# Altium PCB STM32_XC_BZB_2024-2.PcbDoc (part 2 of 2)
Units mil, origin at the board's own origin, x right, y up, seen from the top; angles counter-clockwise.
Board outline 3425 x 3900 mil, 2 copper layers (Top Layer, Bottom Layer); 34 components, 44 nets, 153 pads, 16 vias.
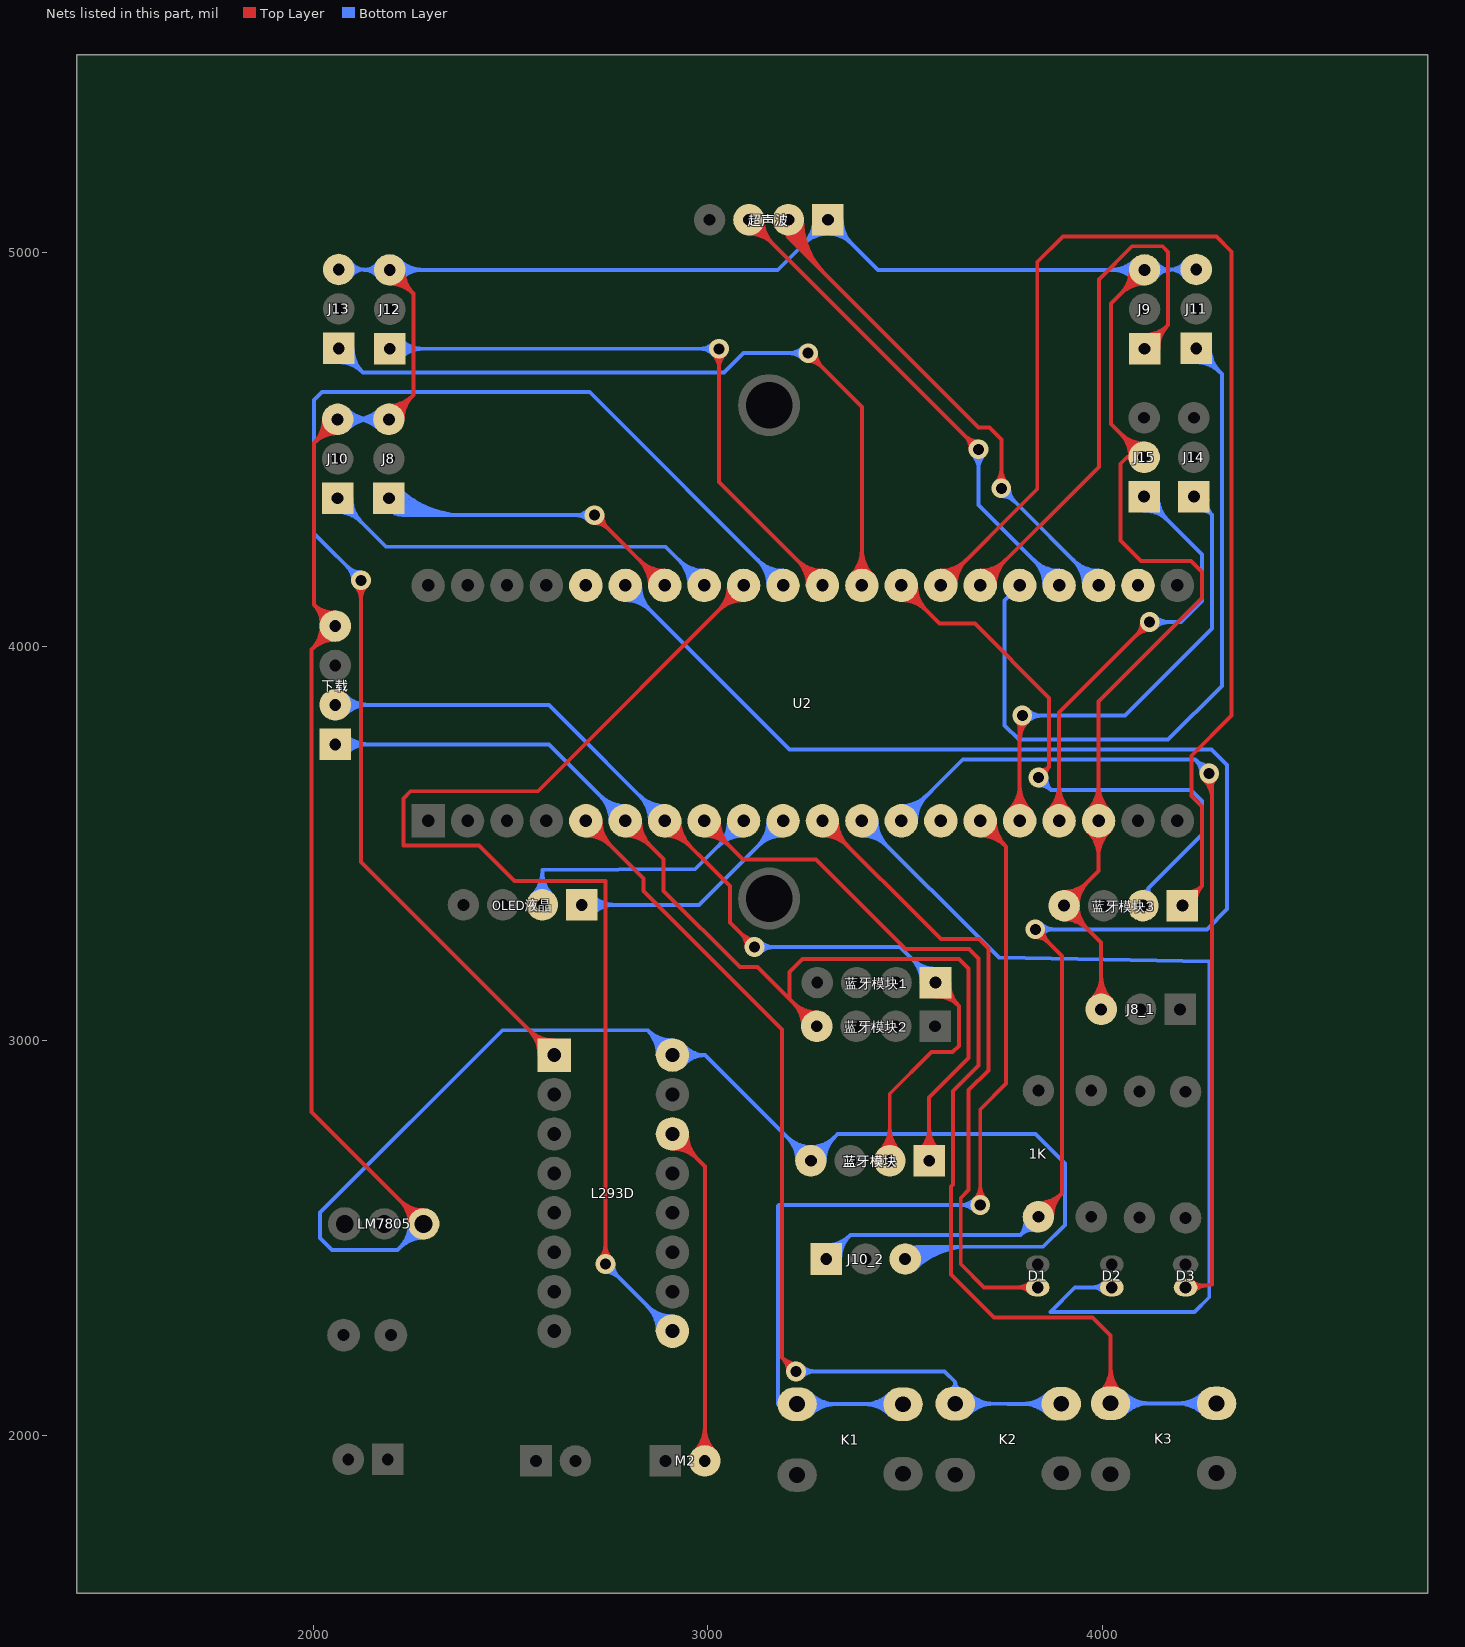
[diagram p2: the nets of this part, all layers, seen from the top]

## Via types
v1: diameter 50, hole 28, Top Layer to Bottom Layer, 16 vias

## Nets (pads, with @x,y where several pads share a name; then routed paths per layer and width w, separated by ;. In a path a pad name is that pad's centre, name@x,y a point inside that pad or via, vN(x,y) a via of type N, cw(c..) or ccw(c..) an arc to the next point about the centre after c; other vN are vias at no path point) (continued)
NetJ5_2: L293D.14 M2.2 | length 1337.1
  Top Layer w10: L293D.14@2909.99,2726.58 cw(c2909.99,2636.05) 2974.01,2700.06 cw(c3038.03,2764.08) L293D.14@2947.49,2764.08 ; L293D.14@2909.99,2736.58 cw(c2909.99,2670.19) 2956.94,2717.13 cw(c3003.88,2764.08) L293D.14@2937.49,2764.08 ; L293D.14@2909.99,2764.08 2992,2682.07 M2.2@2992,1935 ; M2.2@2967.25,1959.75 ccw(c2907.5,2019.5) 2992,2019.5 ccw(c3076.5,2019.5) M2.2@3016.75,1959.75 ; M2.2@2974.32,1952.68 ccw(c2931.64,1995.36) 2992,1995.36 ccw(c3052.36,1995.36) M2.2@3009.68,1952.68
PA0: J11.1 U2.25 | length 2103.7
  Bottom Layer w10: U2.25@3790.38,4154.89 3752,4116.51 3752,3800 3788.22,3763.78 4166.78,3763.78 4303,3900 4303,4691 J11.1@4238,4756 ; J11.1@4238,4721 cw(c4238,4636.5) 4297.75,4696.25 cw(c4357.5,4756) J11.1@4273,4756 ; J11.1@4238,4731 cw(c4238,4670.64) 4280.68,4713.32 cw(c4323.36,4756) J11.1@4263,4756
PA1: J9.1 U2.26 | length 1861.5
  Top Layer w10: U2.26@3690.38,4154.89 3991,4455.51 3991,4931 4075,5015 4152,5015 4167,5000 4167,4815 J9.1@4107,4755 ; U2.26@3690.38,4182.39 ccw(c3690.38,4248.78) 3737.32,4201.84 ccw(c3784.27,4154.89) U2.26@3717.88,4154.89 ; U2.26@3690.38,4192.39 ccw(c3690.38,4282.92) 3754.39,4218.91 ccw(c3818.41,4154.89) U2.26@3727.88,4154.89 ; J9.1@4107,4780 ccw(c4107,4840.36) 4149.68,4797.68 ccw(c4192.36,4755) J9.1@4132,4755 ; J9.1@4107,4790 ccw(c4107,4874.5) 4166.75,4814.75 ccw(c4226.5,4755) J9.1@4142,4755
PA2: U2.27 蓝牙模块3.1 | length 3605.3
  Top Layer w10: U2.27@3590.38,4154.89 3835,4399.51 3835,4975 3900,5040 4289,5040 4328,5001 4328,3825 4226,3723 4226,3621 4252.88,3594.12 4252.88,3392.88 ; U2.27@3590.38,4182.39 ccw(c3590.38,4248.78) 3637.32,4201.84 ccw(c3684.27,4154.89) U2.27@3617.88,4154.89 ; U2.27@3590.38,4192.39 ccw(c3590.38,4282.92) 3654.39,4218.91 ccw(c3718.41,4154.89) U2.27@3627.88,4154.89 ; 蓝牙模块3.1@4203,3343 4252.88,3392.88 ; 蓝牙模块3.1@4206.39,3367.77 ccw(c4211.57,3405.68) 4238.63,3378.63 ccw(c4265.68,3351.57) 蓝牙模块3.1@4227.77,3346.39 ; 蓝牙模块3.1@4207.74,3377.68 ccw(c4214.99,3430.76) 4252.88,3392.88 ; 蓝牙模块3.1@4237.68,3347.74 cw(c4290.76,3354.99) 4252.88,3392.88
PA3: U2.28 蓝牙模块3.2 | length 1870.6
  Top Layer w10: U2.28@3490.38,4117.39 cw(c3490.38,4026.86) 3554.39,4090.87 cw(c3618.41,4154.89) U2.28@3527.88,4154.89 ; U2.28@3490.38,4127.39 cw(c3490.38,4061) 3537.32,4107.94 cw(c3584.27,4154.89) U2.28@3517.88,4154.89 ; U2.28@3490.38,4154.89 3587.27,4058 3677,4058 3865,3870 3865,3695 ; v1(3838,3668) 3865,3695 ; v1@3841.57,3687.68 ccw(c3846.3,3713.7) 3865,3695 ; v1@3857.68,3671.57 cw(c3883.7,3676.3) 3865,3695
  Bottom Layer w10: v1(3838,3668) 3870,3636 ; v1@3838.94,3648.02 cw(c3840.87,3606.87) 3870,3636 ; v1@3857.98,3667.06 ccw(c3899.13,3665.13) 3870,3636 ; 蓝牙模块3.2@4103,3343 4117.5,3387.5 ; 蓝牙模块3.2@4103.99,3377.99 ccw(c4104.39,3391.77) 4117.5,3387.5 ; 蓝牙模块3.2@4122.81,3371.86 cw(c4130.61,3383.23) 4117.5,3387.5 ; 3870,3636 4225,3636 4253,3608 4253,3523 4117.5,3387.5
PA4: J13.1 U2.29 | length 2506.9
  Top Layer w10: v1@3254,4724 cw(c3254,4675.72) 3288.14,4709.86 cw(c3322.28,4744) v1@3274,4744 ; v1(3254,4744) 3390.38,4607.62 U2.29@3390.38,4154.89 ; U2.29@3363.86,4181.41 ccw(c3299.84,4245.42) 3390.38,4245.42 ccw(c3480.91,4245.42) U2.29@3416.89,4181.41 ; U2.29@3370.93,4174.34 ccw(c3323.99,4221.28) 3390.38,4221.28 ccw(c3456.77,4221.28) U2.29@3409.82,4174.34
  Bottom Layer w10: J13.1@2064,4721 cw(c2064,4636.5) 2123.75,4696.25 cw(c2183.5,4756) J13.1@2099,4756 ; J13.1@2064,4731 cw(c2064,4670.64) 2106.68,4713.32 cw(c2149.36,4756) J13.1@2089,4756 ; J13.1@2064,4756 2125,4695 3041,4695 3090,4744 v1(3254,4744) ; v1@3239.86,4729.86 ccw(c3205.72,4695.72) 3205.72,4744 ccw(c3205.72,4792.28) v1@3239.86,4758.14
PA5: J12.1 U2.30 | length 2169.5
  Top Layer w10: v1@3013.86,4740.86 cw(c2979.72,4706.72) 3028,4706.72 cw(c3076.28,4706.72) v1@3042.14,4740.86 ; v1(3028,4755) 3028,4417.27 U2.30@3290.38,4154.89 ; U2.30@3252.88,4154.89 ccw(c3162.34,4154.89) 3226.36,4218.91 ccw(c3290.38,4282.92) U2.30@3290.38,4192.39 ; U2.30@3262.88,4154.89 ccw(c3196.49,4154.89) 3243.43,4201.84 ccw(c3290.38,4248.78) U2.30@3290.38,4182.39
  Bottom Layer w10: J12.1@2193,4755 v1(3028,4755) ; J12.1@2210.68,4737.32 cw(c2253.36,4694.64) 2253.36,4755 cw(c2253.36,4815.36) J12.1@2210.68,4772.68 ; J12.1@2217.75,4730.25 cw(c2277.5,4670.5) 2277.5,4755 cw(c2277.5,4839.5) J12.1@2217.75,4779.75 ; v1@3013.86,4740.86 ccw(c2979.72,4706.72) 2979.72,4755 ccw(c2979.72,4803.28) v1@3013.86,4769.14
PA8: K2.2 U2.5 | length 3298.5
  Top Layer w10: U2.5@2690.38,3520.54 cw(c2690.38,3430.01) 2754.39,3494.02 cw(c2818.41,3558.04) U2.5@2727.88,3558.04 ; U2.5@2690.38,3530.54 cw(c2690.38,3464.15) 2737.32,3511.09 cw(c2784.27,3558.04) U2.5@2717.88,3558.04 ; U2.5@2690.38,3558.04 2837,3411.42 2837,3380 3188,3029 3188,2197 v1(3223,2162) ; v1@3203,2162 ccw(c3154.72,2162) 3188.86,2196.14 ccw(c3223,2230.28) v1@3223,2182
  Bottom Layer w10: v1(3223,2162) 3600,2162 3627,2135 ; v1@3237.14,2147.86 cw(c3271.28,2113.72) 3271.28,2162 cw(c3271.28,2210.28) v1@3237.14,2176.14 ; K2.2@3613.3,2114.91 ccw(c3605.42,2135) 3627,2135 ; K2.2@3640.7,2114.91 cw(c3648.58,2135) 3627,2135 ; K2.2@3653.95,2060.55 cw(c3700.89,2013.61) 3700.89,2080 cw(c3700.89,2146.39) K2.2@3653.95,2099.45 ; K2.2@3661.02,2053.48 cw(c3725.03,1989.47) 3725.03,2080 cw(c3725.03,2170.53) K2.2@3661.02,2106.52 ; K2.2@3861.72,2053.33 ccw(c3797.71,1989.31) 3797.71,2079.84 ccw(c3797.71,2170.38) K2.2@3861.72,2106.36 ; K2.2@3868.79,2060.4 ccw(c3821.85,2013.45) 3821.85,2079.84 ccw(c3821.85,2146.23) K2.2@3868.79,2099.29 ; K2.2@3895.74,2079.84 3761.16,2079.84 3761,2080 K2.2@3627,2080 3627,2135
PA11: K3.2 U2.8 | length 3566.2
  Top Layer w10: U2.8@2990.38,3520.54 cw(c2990.38,3430.01) 3054.39,3494.02 cw(c3118.41,3558.04) U2.8@3027.88,3558.04 ; U2.8@2990.38,3530.54 cw(c2990.38,3464.15) 3037.32,3511.09 cw(c3084.27,3558.04) U2.8@3017.88,3558.04 ; U2.8@2990.38,3558.04 3088.42,3460 3274,3460 3501,3233 3662,3233 3686,3209 3686,2937.5 3621,2872.5 3621,2636 3616,2631 3616,2408 3725,2299 3975,2299 4021,2253 K3.2@4021,2081 ; K3.2@3994.48,2107.52 ccw(c3930.47,2171.53) 4021,2171.53 ccw(c4111.53,2171.53) K3.2@4047.52,2107.52 ; K3.2@4001.55,2100.45 ccw(c3954.61,2147.39) 4021,2147.39 ccw(c4087.39,2147.39) K3.2@4040.45,2100.45
  Bottom Layer w10: K3.2@4021,2081 4155,2081 4155.16,2080.84 K3.2@4289.74,2080.84 ; K3.2@4047.95,2061.55 cw(c4094.89,2014.61) 4094.89,2081 cw(c4094.89,2147.39) K3.2@4047.95,2100.45 ; K3.2@4055.02,2054.48 cw(c4119.03,1990.47) 4119.03,2081 cw(c4119.03,2171.53) K3.2@4055.02,2107.52 ; K3.2@4255.72,2054.33 ccw(c4191.71,1990.31) 4191.71,2080.84 ccw(c4191.71,2171.38) K3.2@4255.72,2107.36 ; K3.2@4262.79,2061.4 ccw(c4215.85,2014.45) 4215.85,2080.84 ccw(c4215.85,2147.23) K3.2@4262.79,2100.29
PA12: OLED液晶.2 U2.9 | length 1123.2
  Bottom Layer w10: OLED液晶.2@2555.25,3369.75 ccw(c2495.5,3429.5) 2580,3429.5 ccw(c2664.5,3429.5) OLED液晶.2@2604.75,3369.75 ; OLED液晶.2@2562.32,3362.68 ccw(c2519.64,3405.36) 2580,3405.36 ccw(c2640.36,3405.36) OLED液晶.2@2597.68,3362.68 ; OLED液晶.2@2580,3345 2580,3433 2967.68,3435.35 U2.9@3090.38,3558.04 ; U2.9@3052.88,3558.04 cw(c2962.34,3558.04) 3026.36,3494.02 cw(c3090.38,3430.01) U2.9@3090.38,3520.54 ; U2.9@3062.88,3558.04 cw(c2996.49,3558.04) 3043.43,3511.09 cw(c3090.38,3464.15) U2.9@3090.38,3530.54
PA15: OLED液晶.1 U2.10 | length 1072.7
  Bottom Layer w10: OLED液晶.1@2680,3345 2977.34,3345 U2.10@3190.38,3558.04 ; OLED液晶.1@2697.68,3327.32 cw(c2740.36,3284.64) 2740.36,3345 cw(c2740.36,3405.36) OLED液晶.1@2697.68,3362.68 ; OLED液晶.1@2704.75,3320.25 cw(c2764.5,3260.5) 2764.5,3345 cw(c2764.5,3429.5) OLED液晶.1@2704.75,3369.75 ; U2.10@3152.88,3558.04 cw(c3062.34,3558.04) 3126.36,3494.02 cw(c3190.38,3430.01) U2.10@3190.38,3520.54 ; U2.10@3162.88,3558.04 cw(c3096.49,3558.04) 3143.43,3511.09 cw(c3190.38,3464.15) U2.10@3190.38,3530.54
PB0: J10.1 U2.33 | length 1495
  Bottom Layer w10: J10.1@2061,4341 cw(c2061,4256.5) 2120.75,4316.25 cw(c2180.5,4376) J10.1@2096,4376 ; J10.1@2061,4351 cw(c2061,4290.64) 2103.68,4333.32 cw(c2146.36,4376) J10.1@2086,4376 ; J10.1@2061,4376 2184,4253 2892.27,4253 U2.33@2990.38,4154.89 ; U2.33@2952.88,4154.89 ccw(c2862.34,4154.89) 2926.36,4218.91 ccw(c2990.38,4282.92) U2.33@2990.38,4192.39 ; U2.33@2962.88,4154.89 ccw(c2896.49,4154.89) 2943.43,4201.84 ccw(c2990.38,4248.78) U2.33@2990.38,4182.39
PB1: J8.1 U2.34 | length 2189.2
  Top Layer w10: v1@2712.27,4313 cw(c2712.27,4264.72) 2746.41,4298.86 cw(c2780.55,4333) v1@2732.27,4333 ; v1(2712.27,4333) U2.34@2890.38,4154.89 ; U2.34@2852.88,4154.89 ccw(c2762.34,4154.89) 2826.36,4218.91 ccw(c2890.38,4282.92) U2.34@2890.38,4192.39 ; U2.34@2862.88,4154.89 ccw(c2796.49,4154.89) 2843.43,4201.84 ccw(c2890.38,4248.78) U2.34@2890.38,4182.39
  Bottom Layer w10: J8.1@2173.32,4358.32 ccw(c2234.46,4419.46) 2234.46,4333 ; J8.1@2180.39,4365.39 ccw(c2258.6,4443.6) 2258.6,4333 ; J8.1@2187.46,4372.46 ccw(c2282.74,4467.74) 2282.74,4333 ; J8.1@2191,4376 2234,4333 ; J8.1@2194.54,4379.54 ccw(c2306.88,4491.88) 2306.88,4333 ; J8.1@2197.41,4351.83 cw(c2203.87,4327.44) 2221.71,4345.29 cw(c2239.56,4363.13) J8.1@2215.17,4369.59 ; J8.1@2199.97,4342.17 cw(c2209.02,4308.02) 2234,4333 ; J8.1@2201.61,4386.61 ccw(c2331.02,4516.02) 2331.02,4333 ; J8.1@2208.68,4393.68 ccw(c2355.17,4540.17) 2355.17,4333 ; J8.1@2215.75,4400.75 ccw(c2379.31,4564.31) 2379.31,4333 ; J8.1@2224.83,4367.03 ccw(c2258.98,4357.98) 2234,4333 ; v1@2698.13,4318.86 ccw(c2663.98,4284.72) 2663.98,4333 ccw(c2663.98,4381.28) v1@2698.13,4347.14 ; v1(2712.27,4333) 2234,4333
PB3: D1.2 U2.11 | length 1916.1
  Top Layer w10: U2.11@3290.38,3520.54 cw(c3290.38,3430.01) 3354.39,3494.02 cw(c3418.41,3558.04) U2.11@3327.88,3558.04 ; U2.11@3290.38,3530.54 cw(c3290.38,3464.15) 3337.32,3511.09 cw(c3384.27,3558.04) U2.11@3317.88,3558.04 ; U2.11@3290.38,3558.04 3590.42,3258 3687,3258 3711,3234 3711,2925 3661,2875 3661,2622 3641,2602 3641,2434 3700,2375 D1.2@3836,2375 ; D1.2@3816.13,2362.63 ccw(c3786.25,2332.75) 3786.25,2375 ccw(c3786.25,2417.25) D1.2@3816.13,2387.37
PB4: D2.2 U2.12 | length 2788.3
  Bottom Layer w10: U2.12@3390.38,3520.54 cw(c3390.38,3430.01) 3454.39,3494.02 cw(c3518.41,3558.04) U2.12@3427.88,3558.04 ; U2.12@3390.38,3530.54 cw(c3390.38,3464.15) 3437.32,3511.09 cw(c3484.27,3558.04) U2.12@3417.88,3558.04 ; U2.12@3390.38,3558.04 3737.42,3211 4271,3201 4271,2350 4234,2313 3868,2313 3930,2375 D2.2@4024,2375 ; D2.2@4004.13,2362.63 ccw(c3974.25,2332.75) 3974.25,2375 ccw(c3974.25,2417.25) D2.2@4004.13,2387.37
PB5: D3.2 U2.13 | length 2728.1
  Top Layer w10: D3.2@4211,2375 4277.88,2381.88 4277.88,3671.12 v1(4271,3678) ; D3.2@4229.54,2388.58 ccw(c4254.55,2419.32) 4258.61,2379.9 ; D3.2@4232.08,2363.96 cw(c4266.88,2335.64) 4262.29,2380.27 ; v1@4256.86,3663.86 cw(c4206.11,3613.11) 4277.88,3613.11 ; v1@4263.93,3670.93 cw(c4230.25,3637.25) 4277.88,3637.25 ; 4277.88,3646.32 cw(c4302.68,3646.32) v1@4285.14,3663.86
  Bottom Layer w10: U2.13@3490.38,3558.04 3646.12,3713.78 4235.22,3713.78 v1(4271,3678) ; U2.13@3490.38,3585.54 ccw(c3490.38,3651.93) 3537.32,3604.99 ccw(c3584.27,3558.04) U2.13@3517.88,3558.04 ; U2.13@3490.38,3595.54 ccw(c3490.38,3686.07) 3554.39,3622.06 ccw(c3618.41,3558.04) U2.13@3527.88,3558.04 ; v1@4251,3678 ccw(c4202.72,3678) 4236.86,3712.14 ccw(c4271,3746.28) v1@4271,3698
PB6: U2.14
PB7: K1.2 U2.15 | length 3252.7
  Top Layer w10: v1@3676.24,2598.14 ccw(c3642.09,2632.28) 3690.38,2632.28 ccw(c3738.66,2632.28) v1@3704.52,2598.14 ; v1(3690.38,2584) 3690.38,2826.02 3756.16,2891.81 3756.16,3492.25 U2.15@3690.38,3558.04 ; U2.15@3690.38,3520.54 cw(c3690.38,3430.01) 3754.39,3494.02 cw(c3818.41,3558.04) U2.15@3727.88,3558.04 ; U2.15@3690.38,3530.54 cw(c3690.38,3464.15) 3737.32,3511.09 cw(c3784.27,3558.04) U2.15@3717.88,3558.04
  Bottom Layer w10: K1.2@3252.95,2059.55 cw(c3299.89,2012.61) 3299.89,2079 cw(c3299.89,2145.39) K1.2@3252.95,2098.45 ; K1.2@3260.02,2052.48 cw(c3324.03,1988.47) 3324.03,2079 cw(c3324.03,2169.53) K1.2@3260.02,2105.52 ; K1.2@3460.72,2052.33 ccw(c3396.71,1988.31) 3396.71,2078.84 ccw(c3396.71,2169.38) K1.2@3460.72,2105.36 ; K1.2@3467.79,2059.4 ccw(c3420.85,2012.45) 3420.85,2078.84 ccw(c3420.85,2145.23) K1.2@3467.79,2098.29 ; K1.2@3494.74,2078.84 3360.16,2078.84 3360,2079 K1.2@3226,2079 3178,2079 3178,2582 3180,2584 v1(3690.38,2584) ; v1@3676.24,2569.86 ccw(c3642.09,2535.72) 3642.09,2584 ccw(c3642.09,2632.28) v1@3676.24,2598.14
PB8: J14.1 U2.16 | length 1775.6
  Top Layer w10: U2.16@3763.86,3584.56 ccw(c3699.84,3648.57) 3790.38,3648.57 ccw(c3880.91,3648.57) U2.16@3816.89,3584.56 ; U2.16@3770.93,3577.49 ccw(c3723.99,3624.43) 3790.38,3624.43 ccw(c3856.77,3624.43) U2.16@3809.82,3577.49 ; v1@3782.86,3810.86 cw(c3764.7,3792.7) 3790.38,3792.7 ; U2.16@3790.38,3558.04 3790.38,3818.38 v1(3797,3825) ; 3790.38,3760.73 cw(c3861.27,3760.73) v1@3811.14,3810.86 ; 3790.38,3784.87 cw(c3837.13,3784.87) v1@3804.07,3817.93
  Bottom Layer w10: v1(3797,3825) 4057,3825 4278,4046 4278,4334 ; v1@3811.14,3810.86 cw(c3845.28,3776.72) 3845.28,3825 cw(c3845.28,3873.28) v1@3811.14,3839.14 ; J14.1@4232,4380 4278,4334 ; J14.1@4237.01,4355.51 cw(c4243.16,4325.45) 4264.86,4347.14 cw(c4286.55,4368.84) J14.1@4256.49,4374.99 ; J14.1@4239.02,4345.71 cw(c4247.63,4303.63) 4278,4334 ; J14.1@4266.29,4372.98 ccw(c4308.37,4364.37) 4278,4334
PB9: J15.1 U2.17 | length 1705.6
  Top Layer w10: U2.17@3863.86,3584.56 ccw(c3799.84,3648.57) 3890.38,3648.57 ccw(c3980.91,3648.57) U2.17@3916.89,3584.56 ; U2.17@3870.93,3577.49 ccw(c3823.99,3624.43) 3890.38,3624.43 ccw(c3956.77,3624.43) U2.17@3909.82,3577.49 ; U2.17@3890.38,3558.04 3890.38,3832.38 v1(4120,4062) ; v1@4100,4062 cw(c4051.72,4062) 4085.86,4027.86 cw(c4120,3993.72) v1@4120,4042
  Bottom Layer w10: J15.1@4106,4345 cw(c4106,4260.5) 4165.75,4320.25 cw(c4225.5,4380) J15.1@4141,4380 ; J15.1@4106,4355 cw(c4106,4294.64) 4148.68,4337.32 cw(c4191.36,4380) J15.1@4131,4380 ; J15.1@4106,4380 4253,4233 4253,4115 4200,4062 v1(4120,4062) ; v1@4134.14,4047.86 cw(c4168.28,4013.72) 4168.28,4062 cw(c4168.28,4110.28) v1@4134.14,4076.14
PB10: 1K.1@3838,2554 J10_2.1 U2.35 | length 4950.1
  Top Layer w10: v1@3830,3263 cw(c3830,3214.72) 3864.14,3248.86 cw(c3898.28,3283) v1@3850,3283 ; v1(3830,3283) 3898,3215 3898,2614 1K.1@3838,2554 ; 1K.1@3838,2579 ccw(c3838,2639.36) 3880.68,2596.68 ccw(c3923.36,2554) 1K.1@3863,2554 ; 1K.1@3838,2589 ccw(c3838,2673.5) 3897.75,2613.75 ccw(c3957.5,2554) 1K.1@3873,2554
  Bottom Layer w10: U2.35@2790.38,4117.39 cw(c2790.38,4026.86) 2854.39,4090.87 cw(c2918.41,4154.89) U2.35@2827.88,4154.89 ; U2.35@2790.38,4127.39 cw(c2790.38,4061) 2837.32,4107.94 cw(c2884.27,4154.89) U2.35@2817.88,4154.89 ; U2.35@2790.38,4154.89 3206.49,3738.78 4277.22,3738.78 4316,3700 4316,3334 4265,3283 v1(3830,3283) ; J10_2.1@3300,2447 3361,2508 3792,2508 ; J10_2.1@3300,2472 ccw(c3300,2532.36) 3342.68,2489.68 ccw(c3385.36,2447) J10_2.1@3325,2447 ; J10_2.1@3300,2482 ccw(c3300,2566.5) 3359.75,2506.75 ccw(c3419.5,2447) J10_2.1@3335,2447 ; 1K.1@3803.71,2546.98 cw(c3761.63,2538.37) 3792,2508 ; 1K.1@3813.51,2548.99 cw(c3783.45,2542.84) 3805.14,2521.14 cw(c3826.84,2499.45) 1K.1@3832.99,2529.51 ; 1K.1@3830.98,2519.71 ccw(c3822.37,2477.63) 3792,2508 ; 1K.1@3838,2554 3792,2508 ; v1@3844.14,3268.86 cw(c3878.28,3234.72) 3878.28,3283 cw(c3878.28,3331.28) v1@3844.14,3297.14
PB11: U2.36
PC13: U2.22
PC14: U2.23 超声波.2 | length 2315.9
  Top Layer w10: 超声波.2@3189,5082 ccw(c3260.22,5082) 3209.86,5031.64 ; 超声波.2@3195.75,5047.99 cw(c3193.21,5037.5) 3204,5037.5 ; 超声波.2@3199,5082 ccw(c3294.36,5082) 3226.93,5014.57 ; 超声波.2@3204,5082 3204,5037.5 ; 超声波.2@3209,5082 ccw(c3328.5,5082) 3244,4997.5 ; 超声波.2@3212.25,5047.99 ccw(c3214.79,5037.5) 3204,5037.5 ; 超声波.2@3219,5082 ccw(c3362.65,5082) 3261.07,4980.43 ; 超声波.2@3229,5082 ccw(c3396.79,5082) 3278.14,4963.36 ; 超声波.2@3239,5082 ccw(c3430.93,5082) 3295.21,4946.28 ; v1@3729.86,4415.41 ccw(c3695.72,4449.55) 3744,4449.55 ccw(c3792.28,4449.55) v1@3758.14,4415.41 ; v1(3744,4401.27) 3744,4525 3714,4555 3686.5,4555 3204,5037.5
  Bottom Layer w10: v1@3744,4381.27 cw(c3744,4332.98) 3778.14,4367.13 cw(c3812.28,4401.27) v1@3764,4401.27 ; v1(3744,4401.27) U2.23@3990.38,4154.89 ; U2.23@3952.88,4154.89 ccw(c3862.34,4154.89) 3926.36,4218.91 ccw(c3990.38,4282.92) U2.23@3990.38,4192.39 ; U2.23@3962.88,4154.89 ccw(c3896.49,4154.89) 3943.43,4201.84 ccw(c3990.38,4248.78) U2.23@3990.38,4182.39
PC15: U2.24 超声波.3 | length 1878.6
  Top Layer w10: 超声波.3@3104,5047 cw(c3104,4962.5) 3163.75,5022.25 cw(c3223.5,5082) 超声波.3@3139,5082 ; 超声波.3@3104,5057 cw(c3104,4996.64) 3146.68,5039.32 cw(c3189.36,5082) 超声波.3@3129,5082 ; 超声波.3@3104,5082 v1(3686,4500) ; v1@3666,4500 ccw(c3617.72,4500) 3651.86,4534.14 ccw(c3686,4568.28) v1@3686,4520
  Bottom Layer w10: v1@3671.86,4485.86 cw(c3637.72,4451.72) 3686,4451.72 cw(c3734.28,4451.72) v1@3700.14,4485.86 ; v1(3686,4500) 3686,4359.27 U2.24@3890.38,4154.89 ; U2.24@3852.88,4154.89 ccw(c3762.34,4154.89) 3826.36,4218.91 ccw(c3890.38,4282.92) U2.24@3890.38,4192.39 ; U2.24@3862.88,4154.89 ccw(c3796.49,4154.89) 3843.43,4201.84 ccw(c3890.38,4248.78) U2.24@3890.38,4182.39
RXD: U2.7 下载.2 蓝牙模块1.1 蓝牙模块.2 | length 3998.5
  Top Layer w10: U2.7@2890.38,3520.54 cw(c2890.38,3430.01) 2954.39,3494.02 cw(c3018.41,3558.04) U2.7@2927.88,3558.04 ; U2.7@2890.38,3530.54 cw(c2890.38,3464.15) 2937.32,3511.09 cw(c2984.27,3558.04) U2.7@2917.88,3558.04 ; U2.7@2890.38,3558.04 3056,3392.42 3056,3300 v1(3118,3238) ; v1@3098,3238 ccw(c3049.72,3238) 3083.86,3272.14 ccw(c3118,3306.28) v1@3118,3258 ; 蓝牙模块.2@3436.25,2720.75 ccw(c3376.5,2780.5) 3461,2780.5 ccw(c3545.5,2780.5) 蓝牙模块.2@3485.75,2720.75 ; 蓝牙模块.2@3443.32,2713.68 ccw(c3400.64,2756.36) 3461,2756.36 ccw(c3521.36,2756.36) 蓝牙模块.2@3478.68,2713.68 ; 蓝牙模块.2@3461,2696 3461,2866 3567.06,2972.06 3620.56,2972.06 3636,2987.5 3636,3089 ; 蓝牙模块1.1@3577,3148 3636,3089 ; 蓝牙模块1.1@3577.22,3123 cw(c3577.75,3064.47) 3619.14,3105.86 cw(c3660.53,3147.25) 蓝牙模块1.1@3602,3147.78 ; 蓝牙模块1.1@3577.31,3113 cw(c3578.05,3031.06) 3636,3089 ; 蓝牙模块1.1@3612,3147.69 ccw(c3693.94,3146.95) 3636,3089
  Bottom Layer w10: 下载.2@2055,3852 2596.42,3852 U2.7@2890.38,3558.04 ; 下载.2@2072.68,3834.32 cw(c2115.36,3791.64) 2115.36,3852 cw(c2115.36,3912.36) 下载.2@2072.68,3869.68 ; 下载.2@2079.75,3827.25 cw(c2139.5,3767.5) 2139.5,3852 cw(c2139.5,3936.5) 下载.2@2079.75,3876.75 ; U2.7@2852.88,3558.04 ccw(c2762.34,3558.04) 2826.36,3622.06 ccw(c2890.38,3686.07) U2.7@2890.38,3595.54 ; U2.7@2862.88,3558.04 ccw(c2796.49,3558.04) 2843.43,3604.99 ccw(c2890.38,3651.93) U2.7@2890.38,3585.54 ; v1(3118,3238) 3487,3238 蓝牙模块1.1@3577,3148 ; v1@3132.14,3223.86 cw(c3166.28,3189.72) 3166.28,3238 cw(c3166.28,3286.28) v1@3132.14,3252.14 ; 蓝牙模块1.1@3542,3148 ccw(c3457.5,3148) 3517.25,3207.75 ccw(c3577,3267.5) 蓝牙模块1.1@3577,3183 ; 蓝牙模块1.1@3552,3148 ccw(c3491.64,3148) 3534.32,3190.68 ccw(c3577,3233.36) 蓝牙模块1.1@3577,3173
TIM3_CH1: L293D.1 U2.31 | length 3958.5
  Top Layer w10: v1@2105.86,4153.86 cw(c2071.72,4119.72) 2120,4119.72 cw(c2168.28,4119.72) v1@2134.14,4153.86 ; v1(2120,4168) 2120,3454.07 L293D.1@2609.99,2964.08 ; L293D.1@2572.49,2964.08 ccw(c2481.96,2964.08) 2545.98,3028.1 ccw(c2609.99,3092.11) L293D.1@2609.99,3001.58 ; L293D.1@2582.49,2964.08 ccw(c2516.1,2964.08) 2563.05,3011.03 ccw(c2609.99,3057.97) L293D.1@2609.99,2991.58
  Bottom Layer w10: v1@2100,4168 ccw(c2051.72,4168) 2085.86,4202.14 ccw(c2120,4236.28) v1@2120,4188 ; v1(2120,4168) 2001,4287 2001,4625 2021,4645 2700.27,4645 U2.31@3190.38,4154.89 ; U2.31@3152.88,4154.89 ccw(c3062.34,4154.89) 3126.36,4218.91 ccw(c3190.38,4282.92) U2.31@3190.38,4192.39 ; U2.31@3162.88,4154.89 ccw(c3096.49,4154.89) 3143.43,4201.84 ccw(c3190.38,4248.78) U2.31@3190.38,4182.39
TIM3_CH2: L293D.9 U2.32 | length 3611.5
  Top Layer w10: v1@2725.86,2448.21 ccw(c2691.72,2482.36) 2740,2482.36 ccw(c2788.28,2482.36) v1@2754.14,2448.21 ; v1(2740,2434.07) 2740,3405 2509,3405 2419,3495 2227.88,3495 2227.88,3614.88 2246,3633 2568.49,3633 U2.32@3090.38,4154.89 ; U2.32@3052.88,4154.89 cw(c2962.34,4154.89) 3026.36,4090.87 cw(c3090.38,4026.86) U2.32@3090.38,4117.39 ; U2.32@3062.88,4154.89 cw(c2996.49,4154.89) 3043.43,4107.94 cw(c3090.38,4061) U2.32@3090.38,4127.39
  Bottom Layer w10: v1@2740,2414.07 cw(c2740,2365.79) 2774.14,2399.93 cw(c2808.28,2434.07) v1@2760,2434.07 ; v1(2740,2434.07) L293D.9@2909.99,2264.08 ; L293D.9@2872.49,2264.08 ccw(c2781.96,2264.08) 2845.98,2328.1 ccw(c2909.99,2392.11) L293D.9@2909.99,2301.58 ; L293D.9@2882.49,2264.08 ccw(c2816.1,2264.08) 2863.05,2311.03 ccw(c2909.99,2357.97) L293D.9@2909.99,2291.58
TXD: U2.6 下载.1 蓝牙模块2.4 蓝牙模块.1 | length 3815.9
  Top Layer w10: U2.6@2790.38,3520.54 cw(c2790.38,3430.01) 2854.39,3494.02 cw(c2918.41,3558.04) U2.6@2827.88,3558.04 ; U2.6@2790.38,3530.54 cw(c2790.38,3464.15) 2837.32,3511.09 cw(c2884.27,3558.04) U2.6@2817.88,3558.04 ; U2.6@2790.38,3558.04 2887.5,3460.92 2887.5,3380.5 3081,3187 3126,3187 3207,3106 ; 蓝牙模块2.4@3241,3037 ccw(c3156.5,3037) 3216.25,3096.75 ccw(c3276,3156.5) 蓝牙模块2.4@3276,3072 ; 蓝牙模块2.4@3251,3037 ccw(c3190.64,3037) 3233.32,3079.68 ccw(c3276,3122.36) 蓝牙模块2.4@3276,3062 ; 蓝牙模块2.4@3276,3037 3207,3106 ; 蓝牙模块.1@3536.25,2720.75 ccw(c3476.5,2780.5) 3561,2780.5 ccw(c3645.5,2780.5) 蓝牙模块.1@3585.75,2720.75 ; 蓝牙模块.1@3543.32,2713.68 ccw(c3500.64,2756.36) 3561,2756.36 ccw(c3621.36,2756.36) 蓝牙模块.1@3578.68,2713.68 ; 蓝牙模块.1@3561,2696 3561,2857 3661,2957 3661,3184 3637,3208 3240,3208 3207,3175 3207,3106
  Bottom Layer w10: 下载.1@2055,3752 2596.42,3752 U2.6@2790.38,3558.04 ; 下载.1@2072.68,3734.32 cw(c2115.36,3691.64) 2115.36,3752 cw(c2115.36,3812.36) 下载.1@2072.68,3769.68 ; 下载.1@2079.75,3727.25 cw(c2139.5,3667.5) 2139.5,3752 cw(c2139.5,3836.5) 下载.1@2079.75,3776.75 ; U2.6@2752.88,3558.04 ccw(c2662.34,3558.04) 2726.36,3622.06 ccw(c2790.38,3686.07) U2.6@2790.38,3595.54 ; U2.6@2762.88,3558.04 ccw(c2696.49,3558.04) 2743.43,3604.99 ccw(c2790.38,3651.93) U2.6@2790.38,3585.54
VCC: J8.3 J8_1.3 J9.3 J10.3 J10_2.3 J11.3 J12.3 J13.3 J15.2 L293D.16 LM7805.3 U2.18 下载.4 蓝牙模块3.4 蓝牙模块.4 超声波.1 | length 17323.7
  Top Layer w10: 下载.4@2020,4052 cw(c1935.5,4052) 1995.25,3992.25 cw(c2055,3932.5) 下载.4@2055,4017 ; 下载.4@2020.1,4054.59 ccw(c1954.47,4059.47) 2001,4106 ; J10.3@2026,4576 cw(c1941.5,4576) 2001.25,4516.25 cw(c2061,4456.5) J10.3@2061,4541 ; 下载.4@2030,4052 cw(c1969.64,4052) 2012.32,4009.32 cw(c2055,3966.64) 下载.4@2055,4027 ; 下载.4@2030.07,4053.85 ccw(c1983.19,4057.33) 2016.43,4090.57 ccw(c2049.67,4123.81) 下载.4@2053.15,4076.93 ; J10.3@2036,4576 cw(c1975.64,4576) 2018.32,4533.32 cw(c2061,4490.64) J10.3@2061,4551 ; 下载.4@2052.41,4086.9 cw(c2047.53,4152.53) 2001,4106 ; J10.3@2061,4576 2001,4516 2001,4106 ; J8.3@2191,4576 2253,4638 2253,4895 J12.3@2193,4955 ; J8.3@2191,4601 ccw(c2191,4661.36) 2233.68,4618.68 ccw(c2276.36,4576) J8.3@2216,4576 ; J8.3@2191,4611 ccw(c2191,4695.5) 2250.75,4635.75 ccw(c2310.5,4576) J8.3@2226,4576 ; J12.3@2193,4920 cw(c2193,4835.5) 2252.75,4895.25 cw(c2312.5,4955) J12.3@2228,4955 ; J12.3@2193,4930 cw(c2193,4869.64) 2235.68,4912.32 cw(c2278.36,4955) J12.3@2218,4955 ; LM7805.3@2244,2536 ccw(c2159.5,2536) 2219.25,2595.75 ccw(c2279,2655.5) LM7805.3@2279,2571 ; LM7805.3@2254,2536 ccw(c2193.64,2536) 2236.32,2578.68 ccw(c2279,2621.36) LM7805.3@2279,2561 ; LM7805.3@2279,2536 1995,2820 1995,3992 下载.4@2055,4052 2001,4106 ; 蓝牙模块3.4@3903,3308 cw(c3903,3223.5) 3962.75,3283.25 cw(c4022.5,3343) 3938,3343 cw(c4022.5,3343) 3962.75,3402.75 cw(c3903,3462.5) 蓝牙模块3.4@3903,3378 ; 蓝牙模块3.4@3903,3318 cw(c3903,3257.64) 3945.68,3300.32 cw(c3988.36,3343) 3928,3343 cw(c3988.36,3343) 3945.68,3385.68 cw(c3903,3428.36) 蓝牙模块3.4@3903,3368 ; U2.18@3963.86,3531.52 cw(c3899.84,3467.51) 3990.38,3467.51 cw(c4080.91,3467.51) U2.18@4016.89,3531.52 ; U2.18@3963.86,3584.56 ccw(c3899.84,3648.57) 3990.38,3648.57 ccw(c4080.91,3648.57) U2.18@4016.89,3584.56 ; U2.18@3970.93,3538.59 cw(c3923.99,3491.65) 3990.38,3491.65 cw(c4056.77,3491.65) U2.18@4009.82,3538.59 ; U2.18@3970.93,3577.49 ccw(c3923.99,3624.43) 3990.38,3624.43 ccw(c4056.77,3624.43) U2.18@4009.82,3577.49 ; J8_1.3@3972.25,3104.75 ccw(c3912.5,3164.5) 3997,3164.5 ccw(c4081.5,3164.5) J8_1.3@4021.75,3104.75 ; J8_1.3@3979.32,3097.68 ccw(c3936.64,3140.36) 3997,3140.36 ccw(c4057.36,3140.36) J8_1.3@4014.68,3097.68 ; J8_1.3@3997,3080 3997,3249 蓝牙模块3.4@3903,3343 3990.38,3430.38 U2.18@3990.38,3558.04 3990.38,3860.38 4252.88,4122.88 4252.88,4189.51 4225,4217.39 4098,4217.39 4046,4269.39 4046,4463.5 4062.5,4480 ; J15.2@4071,4480 ccw(c3986.5,4480) 4046.25,4539.75 ccw(c4106,4599.5) J15.2@4106,4515 ; J15.2@4071.81,4472.51 ccw(c4062.5,4470.47) 4062.5,4480 ; J15.2@4071.81,4487.49 cw(c4062.5,4489.53) 4062.5,4480 ; J9.3@4072,4955 cw(c3987.5,4955) 4047.25,4895.25 cw(c4107,4835.5) J9.3@4107,4920 ; J15.2@4081,4480 ccw(c4020.64,4480) 4063.32,4522.68 ccw(c4106,4565.36) J15.2@4106,4505 ; J9.3@4082,4955 cw(c4021.64,4955) 4064.32,4912.32 cw(c4107,4869.64) J9.3@4107,4930 ; J9.3@4107,4955 4022,4870 4022,4564 J15.2@4106,4480 4062.5,4480
  Bottom Layer w10: J10.3@2061,4576 J8.3@2191,4576 ; J13.3@2064,4956 2128,4956 ; J10.3@2078.68,4558.32 cw(c2121.36,4515.64) 2121.36,4576 cw(c2121.36,4636.36) J10.3@2078.68,4593.68 ; J13.3@2085.05,4942.51 cw(c2109.71,4926.71) 2109.71,4956 cw(c2109.71,4985.29) J13.3@2085.05,4969.49 ; J10.3@2085.75,4551.25 cw(c2145.5,4491.5) 2145.5,4576 cw(c2145.5,4660.5) J10.3@2085.75,4600.75 ; J13.3@2093.47,4937.12 cw(c2128,4914.99) 2128,4956 ; J13.3@2093.47,4974.88 ccw(c2128,4997.01) 2128,4956 ; J12.3@2163.53,4936.12 ccw(c2129,4913.99) 2129,4955 ; J12.3@2163.53,4973.88 cw(c2129,4996.01) 2129,4955 ; J8.3@2166.25,4551.25 ccw(c2106.5,4491.5) 2106.5,4576 ccw(c2106.5,4660.5) J8.3@2166.25,4600.75 ; J12.3@2171.95,4941.51 ccw(c2147.29,4925.71) 2147.29,4955 ccw(c2147.29,4984.29) J12.3@2171.95,4968.49 ; J8.3@2173.32,4558.32 ccw(c2130.64,4515.64) 2130.64,4576 ccw(c2130.64,4636.36) J8.3@2173.32,4593.68 ; J12.3@2210.68,4937.32 cw(c2253.36,4894.64) 2253.36,4955 cw(c2253.36,5015.36) J12.3@2210.68,4972.68 ; J12.3@2217.75,4930.25 cw(c2277.5,4870.5) 2277.5,4955 cw(c2277.5,5039.5) J12.3@2217.75,4979.75 ; LM7805.3@2244,2536 cw(c2159.5,2536) 2219.25,2476.25 cw(c2279,2416.5) LM7805.3@2279,2501 ; LM7805.3@2254,2536 cw(c2193.64,2536) 2236.32,2493.32 cw(c2279,2450.64) LM7805.3@2279,2511 ; LM7805.3@2279,2536 2213,2470 2046.5,2470 2016.5,2500 2016.5,2565 2478.5,3027 2847.07,3027 ; L293D.16@2872.49,2964.54 ccw(c2785.69,2965.61) 2847.07,3027 ; L293D.16@2882.49,2964.42 ccw(c2818.84,2965.2) 2863.85,3010.22 ccw(c2908.87,3055.24) L293D.16@2909.65,2991.58 ; L293D.16@2909.53,3001.58 cw(c2908.46,3088.38) 2847.07,3027 ; L293D.16@2930.64,2945.92 cw(c2970.8,2910.59) 2970.8,2964.08 cw(c2970.8,3017.57) L293D.16@2930.64,2982.24 ; L293D.16@2938.15,2939.31 cw(c2992.92,2891.14) 2992.92,2964.08 ; L293D.16@2938.15,2988.85 ccw(c2992.92,3037.02) 2992.92,2964.08 ; 蓝牙模块.4@3226,2696 ccw(c3141.5,2696) 3201.25,2755.75 ccw(c3261,2815.5) 3261,2731 ccw(c3261,2815.5) 3320.75,2755.75 ccw(c3380.5,2696) 蓝牙模块.4@3296,2696 ; 蓝牙模块.4@3236,2696 ccw(c3175.64,2696) 3218.32,2738.68 ccw(c3261,2781.36) 3261,2721 ccw(c3261,2781.36) 3303.68,2738.68 ccw(c3346.36,2696) 蓝牙模块.4@3286,2696 ; 超声波.1@3269,5082 cw(c3184.5,5082) 3244.25,5022.25 cw(c3304,4962.5) 3304,5047 cw(c3304,4962.5) 3363.75,5022.25 cw(c3423.5,5082) 超声波.1@3339,5082 ; 超声波.1@3279,5082 cw(c3218.64,5082) 3261.32,5039.32 cw(c3304,4996.64) 3304,5057 cw(c3304,4996.64) 3346.68,5039.32 cw(c3389.36,5082) 超声波.1@3329,5082 ; J10_2.3@3489.39,2457.61 cw(c3538.63,2408.37) 3538.63,2478 ; J10_2.3@3496.46,2450.54 cw(c3562.77,2384.23) 3562.77,2478 ; J10_2.3@3500,2447 3531,2478 3850,2478 3905,2533 3905,2689 3830,2764 3329,2764 蓝牙模块.4@3261,2696 2992.92,2964.08 ; J10_2.3@3503.54,2443.46 cw(c3586.91,2360.09) 3586.91,2478 ; J10_2.3@3510.61,2436.39 cw(c3611.05,2335.95) 3611.05,2478 ; J10_2.3@3517.68,2429.32 cw(c3635.2,2311.8) 3635.2,2478 ; J10_2.3@3524.75,2422.25 cw(c3659.34,2287.66) 3659.34,2478 ; J9.3@4082.25,4930.25 ccw(c4022.5,4870.5) 4022.5,4955 ccw(c4022.5,5039.5) J9.3@4082.25,4979.75 ; J9.3@4089.32,4937.32 ccw(c4046.64,4894.64) 4046.64,4955 ccw(c4046.64,5015.36) J9.3@4089.32,4972.68 ; J9.3@4127.87,4941.24 cw(c4153.43,4924.39) 4153.43,4955 cw(c4153.43,4985.61) J9.3@4127.87,4968.76 ; J9.3@4136.22,4935.74 cw(c4172,4912.15) 4172,4955 ; J9.3@4136.22,4974.26 ccw(c4172,4997.85) 4172,4955 ; J11.3@4208.78,4936.74 ccw(c4173,4913.15) 4173,4956 ; J11.3@4208.78,4975.26 cw(c4173,4998.85) 4173,4956 ; J11.3@4217.13,4942.24 ccw(c4191.57,4925.39) 4191.57,4956 ccw(c4191.57,4986.61) J11.3@4217.13,4969.76 ; J11.3@4238,4956 4173,4956 ; 2128,4956 2129,4955 ; 2129,4955 J12.3@2193,4955 3177,4955 超声波.1@3304,5082 3431,4955 J9.3@4107,4955 4172,4955 ; 2847.07,3027 L293D.16@2909.99,2964.08 2992.92,2964.08 ; 4172,4955 4173,4956
pads on no net: U2.21 U2.37 蓝牙模块1.3 蓝牙模块2.2 蓝牙模块2.3

## Polygon pours and split planes (outlines as drawn)
no net on Bottom Layer "Bottom Layer-No Net" (solid, pour order 4): 1935,5148 4360,5148 4360,1820 1935,1820 1935,5148
no net on Top Layer "Bottom Layer-No Net" (solid, pour order 6): 1935,5148 4360,5148 4355,5143 4355,4046 4355,1825 4360,1820 4358,1822 3856,1822 1937,1822 1935,1820 1935,5148

## Keep-outs
Keep-Out Layer:
  lines w10: 1935,1820 1935,5148 4360,5148 4360,1820 1935,1820

## Silkscreen, mask and mechanical layers (free items; w line width, h text height)
Top Overlay:
  lines w10: 1935,5025 4363,5025 ; 1936,3343 4357,3343 ; 1936,4245 4360,4245
  text "VCC GND" at 1952,5015 h60 r270
  text "VCC GND" at 2258,5012 h60 r270
  text "VCC GND" at 4303,5012 h60 r270
  text "VCC GND" at 3996,5009 h60 r270
  text "GND PC15 PC14 VCC" at 2908,4964 h60
  text "GND VCC" at 3995,4668 h60 r270
  text "3V3 GND" at 4298,4668 h60 r270
  text "PA4" at 2025,4648 h60
  text "PA5" at 2151,4647 h60
  text "PA1" at 4067,4646 h60
  text "PA0" at 4192,4646 h60
  text "VCC GND" at 1951,4621 h60 r270
  text "VCC GND" at 2258,4621 h60 r270
  text "PB9" at 4067,4267 h60
  text "PB0" at 2026,4266 h60
  text "PB1" at 2153,4266 h60
  text "PB8" at 4177,4266 h60
  text "VCC GND RXD TXD" at 2128,4133 h60 r270
  text "STM32F103模块" at 3710,3626 h80
  text "VCC GND PA3 PA2" at 3824,3417 h60
  text "VCC GND PA12 PA15" at 2329,3413 h50
  text "VCC GND PB10" at 3932,3154 h60
  text "VCC GND PA9 PA10" at 3183,2777 h60
  text "PB10 GND VCC" at 3220,2339 h60
  text "PB3   PB4   PB5" at 3805,2286 h60
  text "PB7" at 3337,2137 h60
  text "PA8" at 3724,2136 h60
  text "PA11" at 4090,2135 h60